# KiCad board mist1010.kicad_pcb (continued)
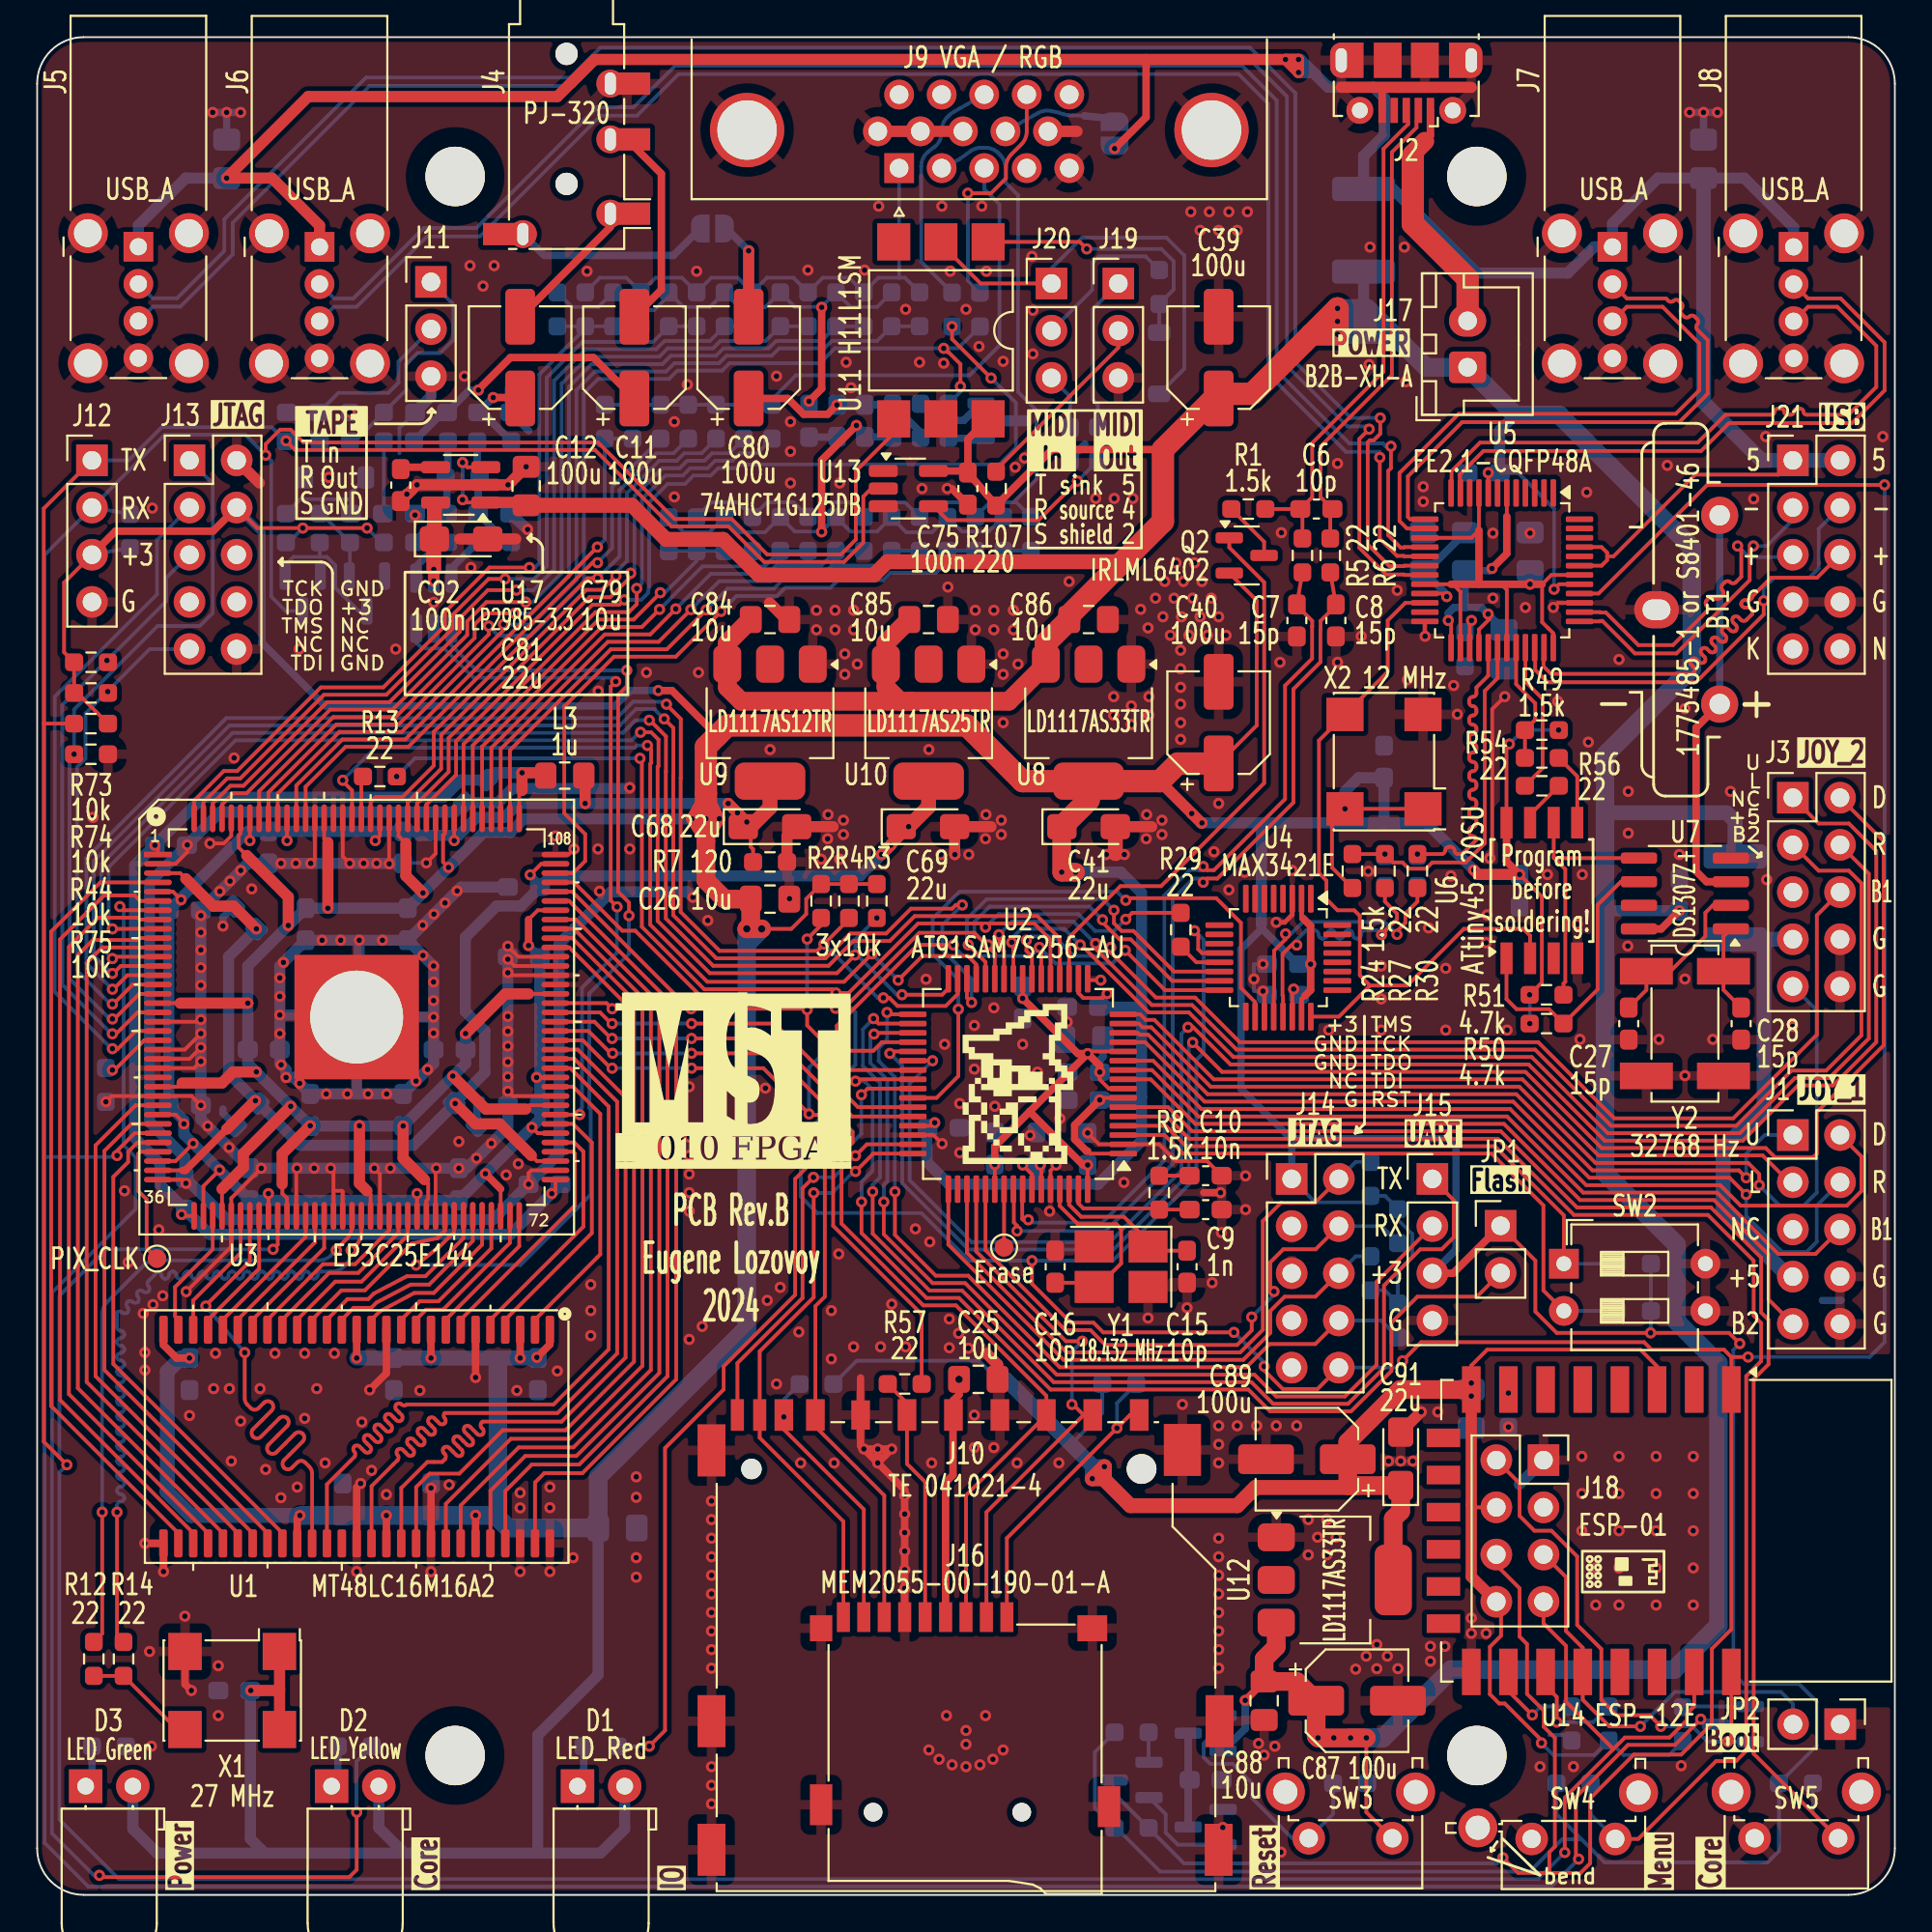
[diagram p0: board, top side]
## Placement (name value [footprint] x y rotation side) (continued)
J15  Conn_01x04  [PinHeader_1x04_P2.54mm_Vertical]  75.1 38.54 0 top
J16  MEM2055-00-190-01-A  [GCT-MEM2055-00-190-01-A]  49.95 15.75 180 top
J17  B2B-XH-A  [JST_XH_B2B-XH-A_1x02_P2.50mm_Vertical]  77 82.23 90 top
J18  ESP-01  [PinSocket_2x04_P2.54mm_Vertical]  81.09 23.4 0 top  (not fitted)
J19  PJ392  [PinHeader_1x03_P2.54mm_Vertical]  58.2 86.74 0 top
J20  PJ392  [PinHeader_1x03_P2.54mm_Vertical]  54.6 86.74 0 top
J21  Conn_02x05_Odd_Even  [PinHeader_2x05_P2.54mm_Vertical]  94.51 77.22 0 top
JP1  Jumper_2_Open  [PinHeader_1x02_P2.54mm_Vertical]  78.78 36.02 0 top
JP2  Jumper  [PinHeader_1x02_P2.54mm_Vertical]  97.06 9.19 270 top
JP3  SolderJumper_2_Open  [SolderJumper-2_P1.3mm_Open_RoundedPad1.0x1.5mm]  58 94.8 270 bottom
JP4  SolderJumper_2_Open  [SolderJumper-2_P1.3mm_Open_RoundedPad1.0x1.5mm]  36.35 89.7 0 bottom
L1  1u  [L_0805_2012Metric_Pad1.15x1.40mm_HandSolder]  76.86 72.3 90 bottom
L2  1u  [L_0805_2012Metric_Pad1.15x1.40mm_HandSolder]  50.66 27.75 180 bottom
L3  1u  [L_0805_2012Metric_Pad1.15x1.40mm_HandSolder]  28.4 60.25 180 top
L5  6.8u  [L_0603_1608Metric_Pad1.05x0.95mm_HandSolder]  41.55 79.35 270 bottom
L6  6.8u  [L_0603_1608Metric_Pad1.05x0.95mm_HandSolder]  46.05 79.35 90 bottom
LOGO1  graphic  [black-mage-6.7x9.5]  52.8 43.65 0 top
N1  G738 or G706  [g738-g706]  50 50 0 top
Q1  BC817  [SOT-23]  14.3 70.05 270 bottom
Q2  IRLML6402  [SOT-23]  65.11 72.1 0 top
Q3  BC817  [SOT-23]  91.29 9.19 180 bottom
Q4  BC817  [SOT-23]  17.75 70.05 270 bottom
Q5  BC856  [SOT-23]  62.9 8.7 180 bottom
Q6  BC817  [SOT-23]  51.75 79.35 0 bottom
Q7  BC817  [SOT-23]  58.91 6.19 180 bottom
R1  1.5k  [R_0603_1608Metric_Pad0.98x0.95mm_HandSolder]  65.2 74.6 0 top
R2  10k  [R_0603_1608Metric_Pad0.98x0.95mm_HandSolder]  42.2 53.5 270 top
R3  10k  [R_0603_1608Metric_Pad0.98x0.95mm_HandSolder]  45.2 53.5 270 top
R4  10k  [R_0603_1608Metric_Pad0.98x0.95mm_HandSolder]  43.7 53.5 270 top
R5  22  [R_0603_1608Metric_Pad0.98x0.95mm_HandSolder]  68.11 72.1 270 top
R6  22  [R_0603_1608Metric_Pad0.98x0.95mm_HandSolder]  69.61 72.1 270 top
R7  120  [R_0603_1608Metric_Pad0.98x0.95mm_HandSolder]  39.45 55.6 0 top
R8  1.5k  [R_0603_1608Metric_Pad0.98x0.95mm_HandSolder]  60.4 37.8 270 top
R9  10k  [R_0603_1608Metric_Pad0.98x0.95mm_HandSolder]  3.7 43.6 90 bottom
R10  560  [R_0603_1608Metric_Pad0.98x0.95mm_HandSolder]  21.2 72.8 180 bottom
R11  560  [R_0603_1608Metric_Pad0.98x0.95mm_HandSolder]  24.6 72.8 180 bottom
R12  22  [R_0603_1608Metric_Pad0.98x0.95mm_HandSolder]  3.05 12.7 90 top
R13  22  [R_0603_1608Metric_Pad0.98x0.95mm_HandSolder]  18.45 60.2 0 top
R14  22  [R_0603_1608Metric_Pad0.98x0.95mm_HandSolder]  4.65 12.7 90 top
R15  1k  [R_0603_1608Metric_Pad0.98x0.95mm_HandSolder]  29.5 85.35 90 bottom
R16  1.1k  [R_0603_1608Metric_Pad0.98x0.95mm_HandSolder]  32.5 85.35 90 bottom
R17  1.1k  [R_0603_1608Metric_Pad0.98x0.95mm_HandSolder]  35.5 85.35 90 bottom
R18  2.2k  [R_0603_1608Metric_Pad0.98x0.95mm_HandSolder]  38.5 85.35 90 bottom
R19  4.3k  [R_0603_1608Metric_Pad0.98x0.95mm_HandSolder]  41.5 85.35 90 bottom
R20  9.1k  [R_0603_1608Metric_Pad0.98x0.95mm_HandSolder]  44.5 85.35 90 bottom
R21  18k  [R_0603_1608Metric_Pad0.98x0.95mm_HandSolder]  47.5 85.35 90 bottom
R22  1k  [R_0603_1608Metric_Pad0.98x0.95mm_HandSolder]  35.5 73.24 90 bottom
R23  1.1k  [R_0603_1608Metric_Pad0.98x0.95mm_HandSolder]  38.5 73.25 90 bottom
R24  1.5k  [R_0603_1608Metric_Pad0.98x0.95mm_HandSolder]  70.8 55.11 90 top
R25  1.1k  [R_0603_1608Metric_Pad0.98x0.95mm_HandSolder]  41.5 73.26 90 bottom
R26  2.2k  [R_0603_1608Metric_Pad0.98x0.95mm_HandSolder]  44.5 73.26 90 bottom
R27  22  [R_0603_1608Metric_Pad0.98x0.95mm_HandSolder]  72.55 55.11 90 top
R28  4.3k  [R_0603_1608Metric_Pad0.98x0.95mm_HandSolder]  47.5 73.26 90 bottom
R29  22  [R_0603_1608Metric_Pad0.98x0.95mm_HandSolder]  61.56 51.95 270 top
R30  22  [R_0603_1608Metric_Pad0.98x0.95mm_HandSolder]  74.3 55.11 90 top
R31  9.1k  [R_0603_1608Metric_Pad0.98x0.95mm_HandSolder]  50.5 73.26 90 bottom
R32  18k  [R_0603_1608Metric_Pad0.98x0.95mm_HandSolder]  53.5 73.26 90 bottom
R33  1k  [R_0603_1608Metric_Pad0.98x0.95mm_HandSolder]  30.55 79.3 90 bottom
R34  1.1k  [R_0603_1608Metric_Pad0.98x0.95mm_HandSolder]  32.05 79.3 90 bottom
R35  1.1k  [R_0603_1608Metric_Pad0.98x0.95mm_HandSolder]  33.55 79.3 90 bottom
R36  2.7k 1%  [R_0603_1608Metric_Pad0.98x0.95mm_HandSolder]  76.86 67.05 270 bottom
R37  2.2k  [R_0603_1608Metric_Pad0.98x0.95mm_HandSolder]  35.05 79.3 90 bottom
R38  10k  [R_0603_1608Metric_Pad0.98x0.95mm_HandSolder]  58.91 8.75 0 bottom
R39  4.3k  [R_0603_1608Metric_Pad0.98x0.95mm_HandSolder]  36.55 79.3 90 bottom
R40  9.1k  [R_0603_1608Metric_Pad0.98x0.95mm_HandSolder]  38.05 79.3 90 bottom
R41  18k  [R_0603_1608Metric_Pad0.98x0.95mm_HandSolder]  39.55 79.3 90 bottom
R42  100  [R_0603_1608Metric_Pad0.98x0.95mm_HandSolder]  50.75 85.34 90 bottom
R43  100  [R_0603_1608Metric_Pad0.98x0.95mm_HandSolder]  49.25 85.34 90 bottom
R44  10k  [R_0603_1608Metric_Pad0.98x0.95mm_HandSolder]  2.9 63.05 180 top
R45  220  [R_0603_1608Metric_Pad0.98x0.95mm_HandSolder]  30.34 8 0 bottom
R46  220  [R_0603_1608Metric_Pad0.98x0.95mm_HandSolder]  17.1 8 0 bottom
R47  220  [R_0603_1608Metric_Pad0.98x0.95mm_HandSolder]  3.86 8 0 bottom
R48  4.7k  [R_0603_1608Metric_Pad0.98x0.95mm_HandSolder]  5 73.42 270 bottom
R49  1.5k  [R_0603_1608Metric_Pad0.98x0.95mm_HandSolder]  81 62.7 180 top
R50  4.7k  [R_0603_1608Metric_Pad0.98x0.95mm_HandSolder]  81.25 46.9 0 top
R51  4.7k  [R_0603_1608Metric_Pad0.98x0.95mm_HandSolder]  81.25 48.45 0 top
R52  10k  [R_0603_1608Metric_Pad0.98x0.95mm_HandSolder]  14.3 78.25 0 bottom
R53  4.7k  [R_0603_1608Metric_Pad0.98x0.95mm_HandSolder]  58.25 27.5 0 bottom
R54  22  [R_0603_1608Metric_Pad0.98x0.95mm_HandSolder]  81 61.2 180 top
R55  10k  [R_0603_1608Metric_Pad0.98x0.95mm_HandSolder]  14.3 72.8 180 bottom
R56  22  [R_0603_1608Metric_Pad0.98x0.95mm_HandSolder]  81 59.7 180 top
R57  22  [R_0603_1608Metric_Pad0.98x0.95mm_HandSolder]  46.7 27.5 180 top
R58  470k  [R_0603_1608Metric_Pad0.98x0.95mm_HandSolder]  17.75 72.8 0 bottom
R59  10k  [R_0603_1608Metric_Pad0.98x0.95mm_HandSolder]  88.59 9.19 90 bottom
R60  4.7k  [R_0603_1608Metric_Pad0.98x0.95mm_HandSolder]  85.95 33.97 180 bottom
R61  4.7k  [R_0603_1608Metric_Pad0.98x0.95mm_HandSolder]  85.95 31.43 180 bottom
R62  4.7k  [R_0603_1608Metric_Pad0.98x0.95mm_HandSolder]  82.7 6 0 bottom
R63  4.7k  [R_0603_1608Metric_Pad0.98x0.95mm_HandSolder]  94.68 6 0 bottom
R64  4.7k  [R_0603_1608Metric_Pad0.98x0.95mm_HandSolder]  41.95 27.5 180 bottom
R65  470  [R_0603_1608Metric_Pad0.98x0.95mm_HandSolder]  17.75 78.25 0 bottom
R66  10k  [R_0603_1608Metric_Pad0.98x0.95mm_HandSolder]  14.3 74.35 0 bottom
R67  10k  [R_0603_1608Metric_Pad0.98x0.95mm_HandSolder]  17.75 79.8 180 bottom
R68  4.7k  [R_0603_1608Metric_Pad0.98x0.95mm_HandSolder]  58.91 3.6 0 bottom
R69  4.7k  [R_0603_1608Metric_Pad0.98x0.95mm_HandSolder]  71.78 38.54 90 bottom
R70  4.7k  [R_0603_1608Metric_Pad0.98x0.95mm_HandSolder]  73.25 36 270 bottom
R71  4.7k  [R_0603_1608Metric_Pad0.98x0.95mm_HandSolder]  71.78 33.46 90 bottom
R72  4.7k  [R_0603_1608Metric_Pad0.98x0.95mm_HandSolder]  73.25 30.92 270 bottom
R73  10k  [R_0603_1608Metric_Pad0.98x0.95mm_HandSolder]  2.9 66.35 0 top
R74  10k  [R_0603_1608Metric_Pad0.98x0.95mm_HandSolder]  2.9 64.7 0 top
R75  10k  [R_0603_1608Metric_Pad0.98x0.95mm_HandSolder]  2.9 61.4 0 top
R76  1k  [R_0603_1608Metric_Pad0.98x0.95mm_HandSolder]  28 85.35 90 bottom
R77  1.1k  [R_0603_1608Metric_Pad0.98x0.95mm_HandSolder]  31 85.35 90 bottom
R78  1.1k  [R_0603_1608Metric_Pad0.98x0.95mm_HandSolder]  34 85.35 90 bottom
R79  2.2k  [R_0603_1608Metric_Pad0.98x0.95mm_HandSolder]  37 85.35 90 bottom
R80  4.3k  [R_0603_1608Metric_Pad0.98x0.95mm_HandSolder]  40 85.35 90 bottom
R81  9.1k  [R_0603_1608Metric_Pad0.98x0.95mm_HandSolder]  43 85.35 90 bottom
R82  18k  [R_0603_1608Metric_Pad0.98x0.95mm_HandSolder]  46 85.35 90 bottom
R83  1k  [R_0603_1608Metric_Pad0.98x0.95mm_HandSolder]  34 73.24 90 bottom
R84  1.1k  [R_0603_1608Metric_Pad0.98x0.95mm_HandSolder]  37 73.25 90 bottom
R85  1.1k  [R_0603_1608Metric_Pad0.98x0.95mm_HandSolder]  40 73.26 90 bottom
R86  2.2k  [R_0603_1608Metric_Pad0.98x0.95mm_HandSolder]  43 73.26 90 bottom
R87  4.3k  [R_0603_1608Metric_Pad0.98x0.95mm_HandSolder]  46 73.26 90 bottom
R88  9.1k  [R_0603_1608Metric_Pad0.98x0.95mm_HandSolder]  49 73.26 90 bottom
R89  10k  [R_0603_1608Metric_Pad0.98x0.95mm_HandSolder]  70.68 6 0 bottom
R90  18k  [R_0603_1608Metric_Pad0.98x0.95mm_HandSolder]  52 73.26 90 bottom
R99  560  [R_0603_1608Metric_Pad0.98x0.95mm_HandSolder]  21.2 78.25 180 bottom
R100  10k  [R_0603_1608Metric_Pad0.98x0.95mm_HandSolder]  22.9 76.3 180 bottom
R101  1k  [R_0603_1608Metric_Pad0.98x0.95mm_HandSolder]  49.05 79.35 90 bottom
R102  680  [R_0603_1608Metric_Pad0.98x0.95mm_HandSolder]  47.55 79.35 270 bottom
R104  560  [R_0603_1608Metric_Pad0.98x0.95mm_HandSolder]  24.6 78.25 0 bottom
R106  220  [R_0603_1608Metric_Pad0.98x0.95mm_HandSolder]  60.4 86.55 90 bottom
R107  220  [R_0603_1608Metric_Pad0.98x0.95mm_HandSolder]  51.62 75.7 270 top
R108  220  [R_0603_1608Metric_Pad0.98x0.95mm_HandSolder]  57.1 78.1 90 bottom
R109  10k  [R_0603_1608Metric_Pad0.98x0.95mm_HandSolder]  84.6 9.22 270 bottom
R110  10k  [R_0603_1608Metric_Pad0.98x0.95mm_HandSolder]  82.6 9.22 270 bottom
R111  10k  [R_0603_1608Metric_Pad0.98x0.95mm_HandSolder]  79.2 26.1 270 bottom
SW2  SW_DIP_x02  [SW_DIP_SPSTx02_Slide_6.7x6.64mm_W7.62mm_P2.54mm_LowProfile]  82.18 33.97 0 top
SW3  SW_Push  [SW_Tactile_SPST_Angled_PTS645Vx58-2LFS#2]  72.95 3.05 180 top
SW4  SW_Push  [SW_Tactile_SPST_Angled_PTS645Vx58-2LFS]  84.95 3.01 180 top
SW5  SW_Push  [SW_Tactile_SPST_Angled_PTS645Vx58-2LFS#2]  96.95 3.05 180 top
TP1  TestPoint  [TestPoint_Pad_D1.0mm]  6.45 34.25 270 top
TP2  TestPoint  [TestPoint_Pad_D1.0mm]  52.05 34.85 0 top
U1  MT48LC16M16A2  [TSOP-II-54_22.2x10.16mm_P0.8mm]  17.2 24.67 270 top
U2  AT91SAM7S256-AU  [TQFP-64_10x10mm_P0.5mm]  52.8 43.65 180 top
U3  EP3C25E144  [ALTERA-QFP-145]  17.2 47.25 0 top
U4  MAX3421E  [LQFP-32_5x5mm_P0.5mm]  66.81 50.45 270 top
U5  FE2.1-CQFP48A  [LQFP-48_7x7mm_P0.5mm]  78.86 71.3 270 top
U6  ATtiny45-20SU  [SOIC-8W_5.3x5.3mm_P1.27mm]  81 54.06 90 top
U7  DS1307Z+  [SOIC-8_3.9x4.9mm_P1.27mm]  88.7 53.9 180 top
U8  LD1117AS33TR  [SOT-223-3_TabPin2]  56.6 63.1 270 top
U9  LD1117AS12TR  [SOT-223-3_TabPin2]  39.45 63.1 270 top
U10  LD1117AS25TR  [SOT-223-3_TabPin2]  47.99 63.1 270 top
U11  H11L1SM  [SMDIP-6_W9.53mm]  48.65 84.22 270 top
U12  LD1117AS33TR  [SOT-223-3_TabPin2]  69.85 16.95 0 top
U13  74AHCT1G125DB  [SOT-23-5_HandSoldering]  46.9 75.7 0 top
U14  -  [ESP-12E]  87.7 19.6 270 top
U15  MAX809LEUR  [SOT-23]  62.9 3.65 180 bottom
U16  74LVC2G34DB  [SOT-23-6_Handsoldering]  21.35 69.52 90 bottom
U17  LP2985-3.3  [SOT-23-5_HandSoldering]  22.8 75.9 180 top
X1  27 MHz  [Oscillator_SMD_7050_7.0x5.0mm]  10.5 11 180 top
X2  12 MHz  [Oscillator_SMD_7050_7.0x5.0mm]  72.5 61 90 top
Y1  18.432 MHz  [Crystal_SMD_SeikoEpson_TSX3225-4Pin_3.2x2.5mm_HandSoldering]  58.35 33.81 180 top
Y2  32768 Hz  [Crystal_SMD_SeikoEpson_MC306-4Pin_8.0x3.2mm_HandSoldering]  88.7 46.9 270 top

## Library data of the parts
BT1 = -: Description: Multiple-cell battery
C1-C10 C13-C38 C42-C67 C70-C79 C82-C86 C88 C90 C92 = -: ki_fp_filters: C_*
C11 C12 C39-C41 C68 C69 C80 C81 C87 C89 C91 = -: ki_fp_filters: CP_*
D1 = -: Desc: IO; ki_fp_filters: LED* LED_SMD:* LED_THT:*
D2 = -: Desc: Core; ki_fp_filters: LED* LED_SMD:* LED_THT:*
D3 = -: Desc: Power; ki_fp_filters: LED* LED_SMD:* LED_THT:*
D4 = -: Description: Diode; Sim.Device: D; Sim.Pins: 1=K 2=A; ki_fp_filters: TO-???* *_Diode_* *SingleDiode* D_*
D5 = -: Datasheet: https://www.vishay.com/docs/85748/1n4148w.pdf; Description: 75V 0.15A Fast Switching Diode, SOD-123; Sim.Device: D; Sim.Pins: 1=K 2=A; ki_fp_filters: D*SOD?123*
F1 F2 = -: ki_fp_filters: *polyfuse* *PTC*
H1-H4 = -: ki_fp_filters: MountingHole*
J1 J3 = -: Desc: Joystick_HDR; ki_fp_filters: Connector*:*_2x??_*
J2 = -: ki_fp_filters: USB*
J4 = -: Description: Audio Jack, 4 Poles (TRRS); Desc: Raspberry / CTIA pinout; ki_fp_filters: Jack*
J5-J8 = -: Description: USB Type A connector; ki_fp_filters: USB*
J9 = -: Description: 15-pin female receptacle socket D-SUB connector, High density (3 columns), Triple Row, Generic, VGA-connector, Mounting Hole; ki_fp_filters: DSUB*Female*
J10 = -: Datasheet: http://portal.fciconnect.com/Comergent//fci/drawing/10067847.pdf; ki_fp_filters: SD*
J11 J19 J20 = -: Field5: T; Field6: R; Field7: S; ki_fp_filters: Connector*:*_1x??_*
J12 = -: Desc1: TX; Desc2: RX; Desc3: +3; Desc4: G; ki_fp_filters: Connector*:*_1x??_*
J13 J14 J18 = -: ki_fp_filters: Connector*:*_2x??_*
J15 = -: ki_fp_filters: Connector*:*_1x??_*
J16 = -: Datasheet: https://www.hirose.com/en/product/document?clcode=&productname=&series=DM3&documenttype=Catalog&lang=en&documentid=D49662_en; Description: Micro SD Card Socket with two card detection pins; ki_fp_filters: microSD*
J17 = -: Description: Generic connector, single row, 01x02, script generated; Desc: POWER; ki_fp_filters: Connector*:*_1x??_*
J21 = -: Description: Generic connector, double row, 02x05, odd/even pin numbering scheme (row 1 odd numbers, row 2 even numbers), script generated (kicad-library-utils/schlib/autogen/connector/); Desc1a: USB; Desc2a: 5; Desc3a: -; Desc4a: +; Desc5a: G; Desc6a: N; Desc2b: 5; Desc3b: -; Desc4b: +; Desc5b: G; Desc6b: K; ki_fp_filters: Connector*:*_2x??_*
JP1 = -: ki_fp_filters: Jumper* TestPoint*2Pads* TestPoint*Bridge*
JP2 = -: Description: Jumper, 2-pole, small symbol, open; Desc: Boot; ki_fp_filters: Jumper* TestPoint*2Pads* TestPoint*Bridge*
JP3 = -: Description: Solder Jumper, 2-pole, open; Desc: +5 <-> VGA Pin 9; ki_fp_filters: SolderJumper*Open*
JP4 = -: Description: Solder Jumper, 2-pole, open; Desc: CVBS; ki_fp_filters: SolderJumper*Open*
L1-L3 = -: ki_fp_filters: Choke_* *Coil* Inductor_* L_*
L5 L6 = -: Description: Inductor; ki_fp_filters: Choke_* *Coil* Inductor_* L_*
LOGO1 = -: Desc: Logo
N1 = -: ki_fp_filters: Enclosure* Housing*
Q1 Q3 Q4 Q6 Q7 = -: Datasheet: http://www.fairchildsemi.com/ds/BC/BC817.pdf; ki_fp_filters: SOT?23*
Q2 = -: Datasheet: https://www.infineon.com/dgdl/irlml6402pbf.pdf?fileId=5546d462533600a401535668d5c2263c; Description: -3.7A Id, -20V Vds, 65mOhm Rds, P-Channel HEXFET Power MOSFET, SOT-23; ki_fp_filters: SOT?23*
Q5 = -: Datasheet: http://www.fairchildsemi.com/ds/BC/BC856.pdf; ki_fp_filters: SOT?23*
R1-R90 R99-R102 R104 R109-R111 = -: ki_fp_filters: R_*
R106-R108 = -: Description: Resistor; ki_fp_filters: R_*
SW2 = -: ki_fp_filters: SW?DIP?x2*
SW3 = -: Desc: Reset
SW4 = -: Desc: Menu
SW5 = -: Desc: Core
TP1 = -: ki_fp_filters: Pin* Test*
TP2 = -: Desc1: Erase; ki_fp_filters: Pin* Test*
U1 = -: Datasheet: http://www.issi.com/WW/pdf/42-45S16400J.pdf
U2 = -: MPN: AT91SAM7S256-AU-001; OC_FARNELL: 1095460; OC_NEWARK: 80K7127; PACKAGE: LQFP-64; SUPPLIER: Atmel
U3 = -: ki_fp_filters: *QFP-144*1EP*P0.5mm*
U5 = -: ki_fp_filters: *QFP*48*
U6 = -: Datasheet: http://ww1.microchip.com/downloads/en/DeviceDoc/atmel-2586-avr-8-bit-microcontroller-attiny25-attiny45-attiny85_datasheet.pdf; ki_fp_filters: DIP*W7.62mm*
U7 = -: Datasheet: https://datasheets.maximintegrated.com/en/ds/DS1307.pdf; ValueAlt: M41T56; ki_fp_filters: SOIC*3.9x4.9mm?P1.27mm*
U8 U12 = -: Datasheet: https://www.diodes.com/assets/Datasheets/AZ1117.pdf; Description: 1A 20V Fixed LDO Linear Regulator, 3.3V, SOT-89/SOT-223/TO-220/TO-252/TO-263; ki_fp_filters: SOT?223* SOT?89* TO?220* TO?252* TO?263*
U9 U10 = -: Datasheet: https://www.diodes.com/assets/Datasheets/AZ1117.pdf; ki_fp_filters: SOT?223* SOT?89* TO?220* TO?252* TO?263*
U11 = -: Datasheet: https://www.onsemi.com/pub/Collateral/H11L3M-D.PDF; ki_fp_filters: DIP*W7.62mm* DIP*W10.16mm* SMDIP*W9.53mm*
U13 = -: Datasheet: https://www.ti.com/lit/ds/symlink/sn74lvc1g125.pdf; Description: Single Buffer Gate Tri-State, Low-Voltage CMOS; ki_fp_filters: SOT?23* Texas?R-PDSO-G5?DCK* Texas?R-PDSO-N5?DRL* Texas?X2SON*0.8x0.8mm*P0.48mm*
U14 = -: Datasheet: http://wiki.ai-thinker.com/_media/esp8266/esp8266_series_modules_user_manual_v1.1.pdf; Description: 802.11 b/g/n Wi-Fi Module; ki_fp_filters: ESP?12*
U15 = -: ValueAlt: SGM810-LXN3; ki_fp_filters: SC70-3 SOT23-3
U16 = -: Datasheet: http://www.ti.com/lit/sg/scyt129e/scyt129e.pdf; ValueSilk: 74LVC2G34; ki_fp_filters: SG-* SOT*
U17 = -: Datasheet: http://www.ti.com/lit/ds/symlink/lp2985.pdf; Description: 150mA 16V Low-noise Low-dropout Regulator With Shutdown, 3.3V output voltage, SOT-23-5; ValueAlt: LD3985M33R; ki_fp_filters: SOT?23*
X1 X2 = -: Datasheet: http://cdn-reichelt.de/documents/datenblatt/B400/XO91.pdf; ki_fp_filters: Oscillator*SMD*EuroQuartz*XO91*7.0x5.0mm*
Y1 = -: Description: Four pin crystal, GND on pins 2 and 4; ki_fp_filters: Crystal*
Y2 = -: ki_fp_filters: Crystal*

## Footprints (pads in the part's own frame, mm; a bottom-side part is the same pattern mirrored in y, then rotated)
ALTERA-QFP-145
  rect 1.5x0.3 smd: 1(-10.7,8.75)
  oval 1.5x0.3 smd: 2(-10.7,8.25) 3(-10.7,7.75) 4(-10.7,7.25) 5(-10.7,6.75) 6(-10.7,6.25) 7(-10.7,5.75) 8(-10.7,5.25) 9(-10.7,4.75) 10(-10.7,4.25) 11(-10.7,3.75) 12(-10.7,3.25) 13(-10.7,2.75) 14(-10.7,2.25) 15(-10.7,1.75) 16(-10.7,1.25) 17(-10.7,0.75) 18(-10.7,0.25) 19(-10.7,-0.25) 20(-10.7,-0.75) 21(-10.7,-1.25) 22(-10.7,-1.75) 23(-10.7,-2.25) 24(-10.7,-2.75) 25(-10.7,-3.25) 26(-10.7,-3.75) 27(-10.7,-4.25) 28(-10.7,-4.75) 29(-10.7,-5.25) 30(-10.7,-5.75) 31(-10.7,-6.25) 32(-10.7,-6.75) 33(-10.7,-7.25) 34(-10.7,-7.75) 35(-10.7,-8.25) 36(-10.7,-8.75) 73(10.7,-8.75) 74(10.7,-8.25) 75(10.7,-7.75) 76(10.7,-7.25) 77(10.7,-6.75) 78(10.7,-6.25) 79(10.7,-5.75) 80(10.7,-5.25) 81(10.7,-4.75) 82(10.7,-4.25) 83(10.7,-3.75) 84(10.7,-3.25) 85(10.7,-2.75) 86(10.7,-2.25) 87(10.7,-1.75) 88(10.7,-1.25) 89(10.7,-0.75) 90(10.7,-0.25) 91(10.7,0.25) 92(10.7,0.75) 93(10.7,1.25) 94(10.7,1.75) 95(10.7,2.25) 96(10.7,2.75) 97(10.7,3.25) 98(10.7,3.75) 99(10.7,4.25) 100(10.7,4.75) 101(10.7,5.25) 102(10.7,5.75) 103(10.7,6.25) 104(10.7,6.75) 105(10.7,7.25) 106(10.7,7.75) 107(10.7,8.25) 108(10.7,8.75)
  oval 0.3x1.5 smd: 37(-8.75,-10.7) 38(-8.25,-10.7) 39(-7.75,-10.7) 40(-7.25,-10.7) 41(-6.75,-10.7) 42(-6.25,-10.7) 43(-5.75,-10.7) 44(-5.25,-10.7) 45(-4.75,-10.7) 46(-4.25,-10.7) 47(-3.75,-10.7) 48(-3.25,-10.7) 49(-2.75,-10.7) 50(-2.25,-10.7) 51(-1.75,-10.7) 52(-1.25,-10.7) 53(-0.75,-10.7) 54(-0.25,-10.7) 55(0.25,-10.7) 56(0.75,-10.7) 57(1.25,-10.7) 58(1.75,-10.7) 59(2.25,-10.7) 60(2.75,-10.7) 61(3.25,-10.7) 62(3.75,-10.7) 63(4.25,-10.7) 64(4.75,-10.7) 65(5.25,-10.7) 66(5.75,-10.7) 67(6.25,-10.7) 68(6.75,-10.7) 69(7.25,-10.7) 70(7.75,-10.7) 71(8.25,-10.7) 72(8.75,-10.7) 109(8.75,10.7) 110(8.25,10.7) 111(7.75,10.7) 112(7.25,10.7) 113(6.75,10.7) 114(6.25,10.7) 115(5.75,10.7) 116(5.25,10.7) 117(4.75,10.7) 118(4.25,10.7) 119(3.75,10.7) 120(3.25,10.7) 121(2.75,10.7) 122(2.25,10.7) 123(1.75,10.7) 124(1.25,10.7) 125(0.75,10.7) 126(0.25,10.7) 127(-0.25,10.7) 128(-0.75,10.7) 129(-1.25,10.7) 130(-1.75,10.7) 131(-2.25,10.7) 132(-2.75,10.7) 133(-3.25,10.7) 134(-3.75,10.7) 135(-4.25,10.7) 136(-4.75,10.7) 137(-5.25,10.7) 138(-5.75,10.7) 139(-6.25,10.7) 140(-6.75,10.7) 141(-7.25,10.7) 142(-7.75,10.7) 143(-8.25,10.7) 144(-8.75,10.7)
  round 6 hole 5: 145(0,0)
  rect 6.7x6.7 smd: 145(0,0)
C_0603_1608Metric_Pad1.08x0.95mm_HandSolder
  rrect 1.075x0.95 smd: 1(-0.863,0) 2(0.863,0)
C_0805_2012Metric_Pad1.18x1.45mm_HandSolder
  rrect 1.175x1.45 smd: 1(-1.038,0) 2(1.038,0)
CP_EIA-3216-18_Kemet-A_Pad1.58x1.35mm_HandSolder
  rrect 1.575x1.35 smd: 1(-1.438,0) 2(1.438,0)
CP_Elec_5x5.9
  rrect 3x1.6 smd: 1(-2.2,0) 2(2.2,0)
CR2032V
  round 2 hole 1.1: 1(0,0) 1(10.16,0)
  oval 2x2.4 hole 1.1x1.5: 2(5.08,3.4)
Crystal_SMD_SeikoEpson_MC306-4Pin_8.0x3.2mm_HandSoldering
  rect 1.43x2.85 smd: 1(-2.815,-2.075) 2(2.815,-2.075) 3(2.815,2.075) 4(-2.815,2.075)
Crystal_SMD_SeikoEpson_TSX3225-4Pin_3.2x2.5mm_HandSoldering
  rect 2.1x1.725 smd: 1(-1.45,-1.087) 2(1.45,-1.087) 3(1.45,1.087) 4(-1.45,1.087)
D_SOD-123
  rrect 0.9x1.2 smd: 1(-1.65,0) 2(1.65,0)
DSUB-15-HD_Female_Horizontal_P2.29x1.98mm_EdgePinOffset3.03mm_Housed_MountingHolesOffset4.94mm
  round 4 hole 3.2: 0(-16.815,-2.05) 0(8.185,-2.05)
  rect 1.6x1.6 hole 1: 1(0,0)
  round 1.6 hole 1: 2(-2.29,0) 3(-4.58,0) 4(-6.87,0) 5(-9.16,0) 6(1.145,-1.98) 7(-1.145,-1.98) 8(-3.435,-1.98) 9(-5.725,-1.98) 10(-8.015,-1.98) 11(0,-3.96) 12(-2.29,-3.96) 13(-4.58,-3.96) 14(-6.87,-3.96) 15(-9.16,-3.96)
ESP-12E
  rect 2.5x1 smd: 1(-7.6,3.5) 2(-7.6,1.5) 3(-7.6,-0.5) 4(-7.6,-2.5) 5(-7.6,-4.5) 6(-7.6,-6.5) 7(-7.6,-8.5) 8(-7.6,-10.5) 15(7.6,-10.5) 16(7.6,-8.5) 17(7.6,-6.5) 18(7.6,-4.5) 19(7.6,-2.5) 20(7.6,-0.5) 21(7.6,1.5) 22(7.6,3.5)
  rect 1x1.8 smd: 9(-5,-12) 10(-3,-12) 11(-1,-12) 12(1,-12) 13(3,-12) 14(5,-12)
Fuse_1812_4532Metric_Pad1.30x3.40mm_HandSolder
  rrect 1.3x3.4 smd: 1(-2.225,0) 2(2.225,0)
GCT-MEM2055-00-190-01-A
  round 1 hole 1 unplated: (-3.05,11.3) (4.95,11.3)
  rect 0.7x1.6 smd: 1(-2.25,0.8) 2(-1.15,0.8) 3(-0.05,0.8) 4(1.05,0.8) 5(2.15,0.8) 6(3.25,0.8) 7(4.35,0.8) 8(5.45,0.8) 9(6.55,0.8)
  rect 1.2x1.4 smd: 10(7.75,1.4)
  rect 1.2x2.2 smd: 11(-7.75,11) 11(7.75,10.9)
  rect 1.6x1.4 smd: 11(-6.85,1.4)
JST_XH_B2B-XH-A_1x02_P2.50mm_Vertical
  rrect 1.7x2 hole 1: 1(0,0)
  oval 1.7x2 hole 1: 2(2.5,0)
L_0603_1608Metric_Pad1.05x0.95mm_HandSolder
  rrect 1.05x0.95 smd: 1(-0.875,0) 2(0.875,0)
L_0805_2012Metric_Pad1.15x1.40mm_HandSolder
  rrect 1.15x1.4 smd: 1(-1.025,0) 2(1.025,0)
LED_D5.0mm_Horizontal_O1.27mm_Z3.0mm
  rect 1.8x1.8 hole 0.9: 1(0,0)
  round 1.8 hole 0.9: 2(2.54,0)
LQFP-32_5x5mm_P0.5mm
  rrect 1.5x0.3 smd: 1(-3.175,1.75) 2(-3.175,1.25) 3(-3.175,0.75) 4(-3.175,0.25) 5(-3.175,-0.25) 6(-3.175,-0.75) 7(-3.175,-1.25) 8(-3.175,-1.75) 17(3.175,-1.75) 18(3.175,-1.25) 19(3.175,-0.75) 20(3.175,-0.25) 21(3.175,0.25) 22(3.175,0.75) 23(3.175,1.25) 24(3.175,1.75)
  rrect 0.3x1.5 smd: 9(-1.75,-3.175) 10(-1.25,-3.175) 11(-0.75,-3.175) 12(-0.25,-3.175) 13(0.25,-3.175) 14(0.75,-3.175) 15(1.25,-3.175) 16(1.75,-3.175) 25(1.75,3.175) 26(1.25,3.175) 27(0.75,3.175) 28(0.25,3.175) 29(-0.25,3.175) 30(-0.75,3.175) 31(-1.25,3.175) 32(-1.75,3.175)
LQFP-48_7x7mm_P0.5mm
  rrect 1.475x0.3 smd: 1(-4.162,2.75) 2(-4.162,2.25) 3(-4.162,1.75) 4(-4.162,1.25) 5(-4.162,0.75) 6(-4.162,0.25) 7(-4.162,-0.25) 8(-4.162,-0.75) 9(-4.162,-1.25) 10(-4.162,-1.75) 11(-4.162,-2.25) 12(-4.162,-2.75) 25(4.162,-2.75) 26(4.162,-2.25) 27(4.162,-1.75) 28(4.162,-1.25) 29(4.162,-0.75) 30(4.162,-0.25) 31(4.162,0.25) 32(4.162,0.75) 33(4.162,1.25) 34(4.162,1.75) 35(4.162,2.25) 36(4.162,2.75)